# Altium PCB BalanceCar.PcbDoc
Units mil, origin at the board's own origin, x right, y up, seen from the top; angles counter-clockwise.
Board outline 3800 x 2345 mil, 2 copper layers (Top Layer, Bottom Layer); 103 components, 90 nets, 387 pads, 186 vias.
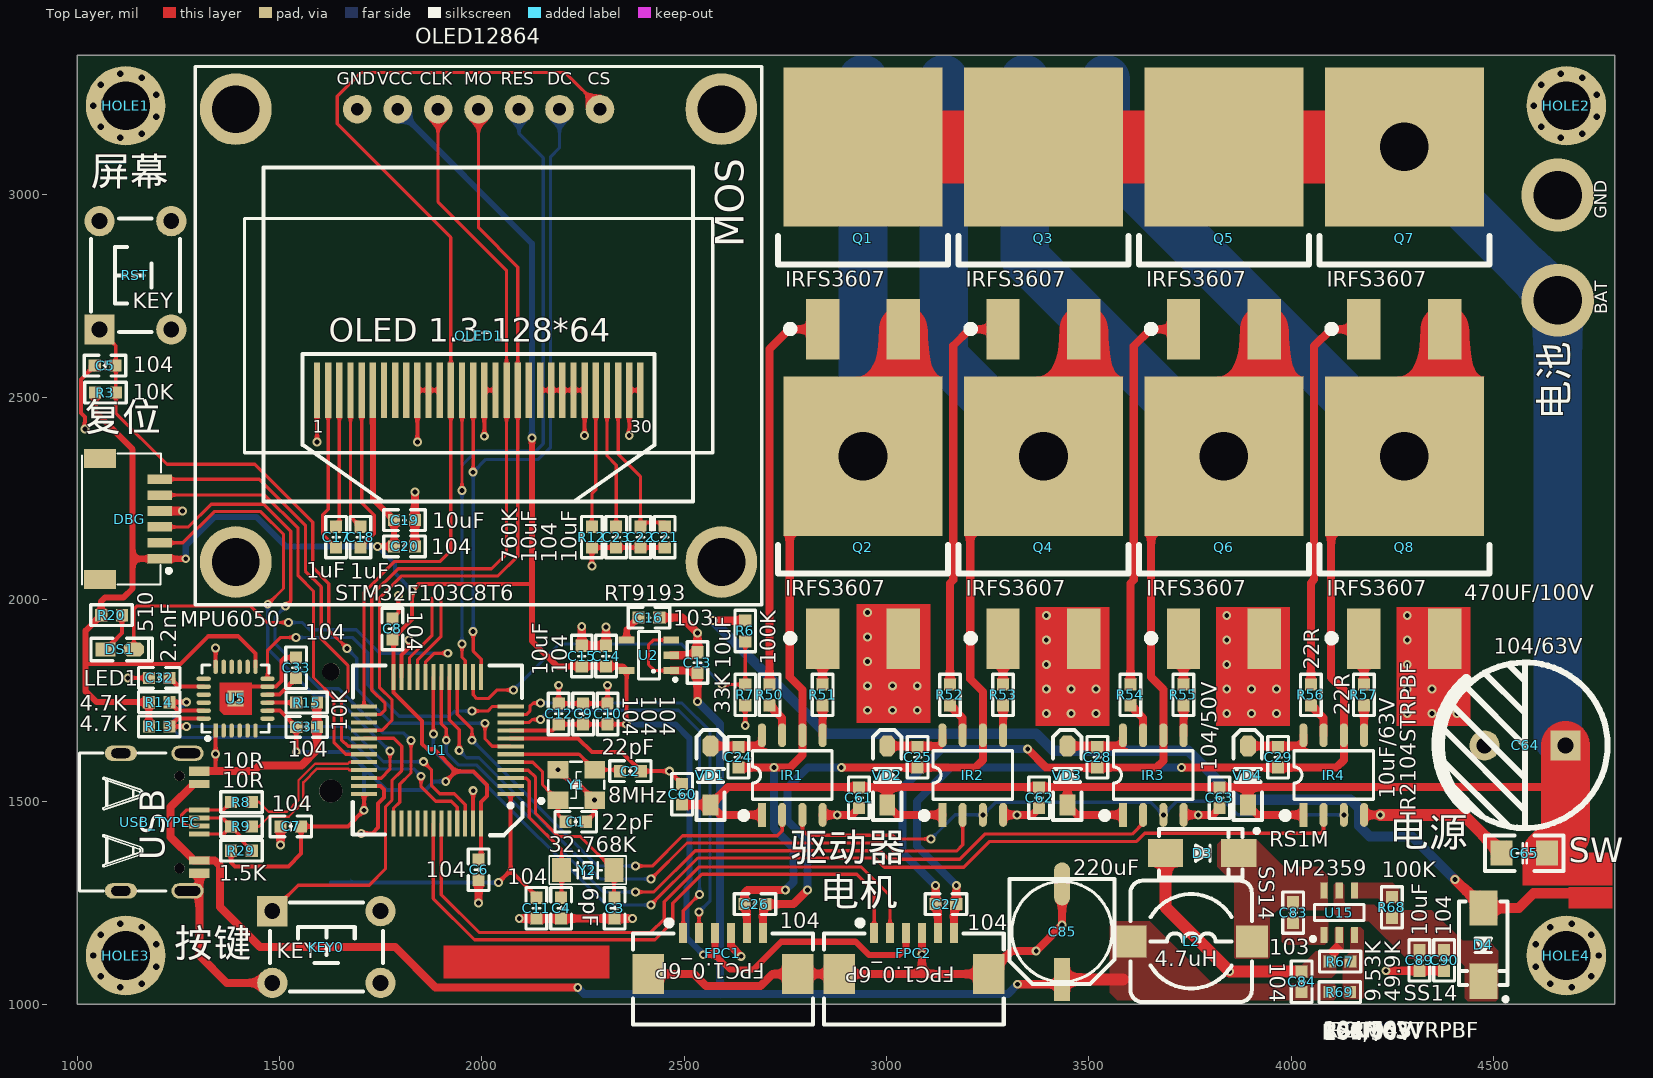
[diagram p0: Top Layer view]
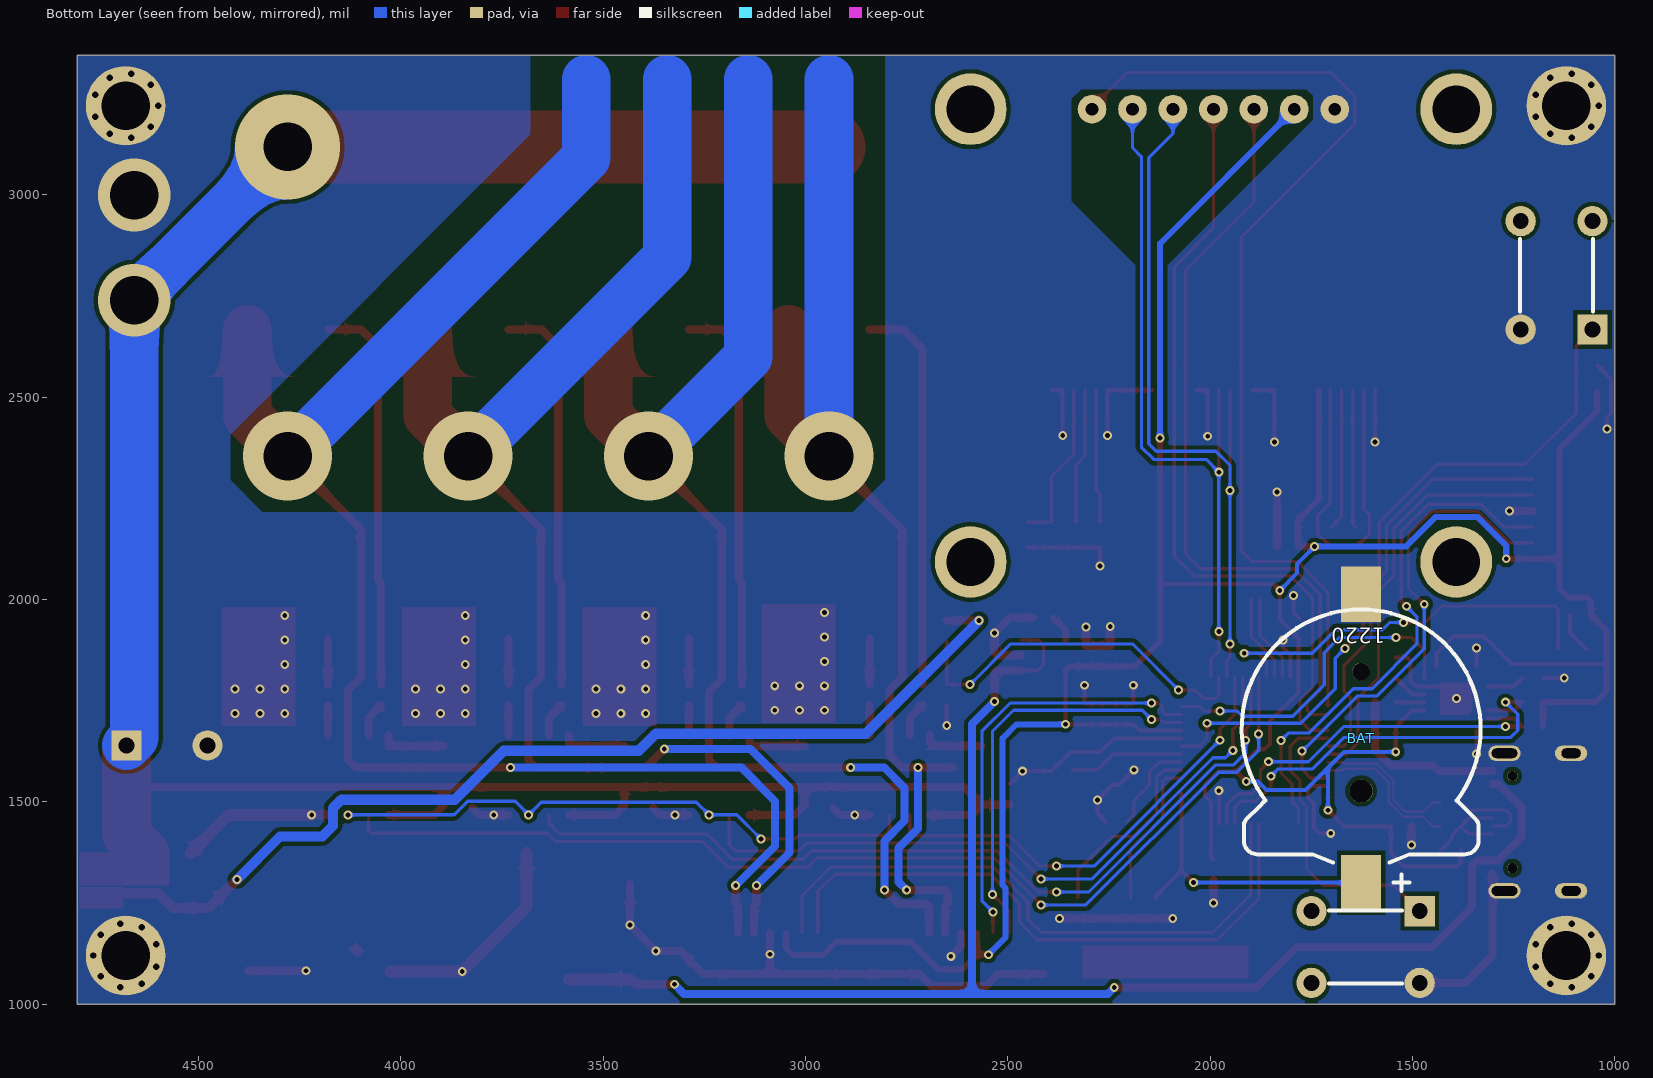
[diagram p1: Bottom Layer view, seen from below]
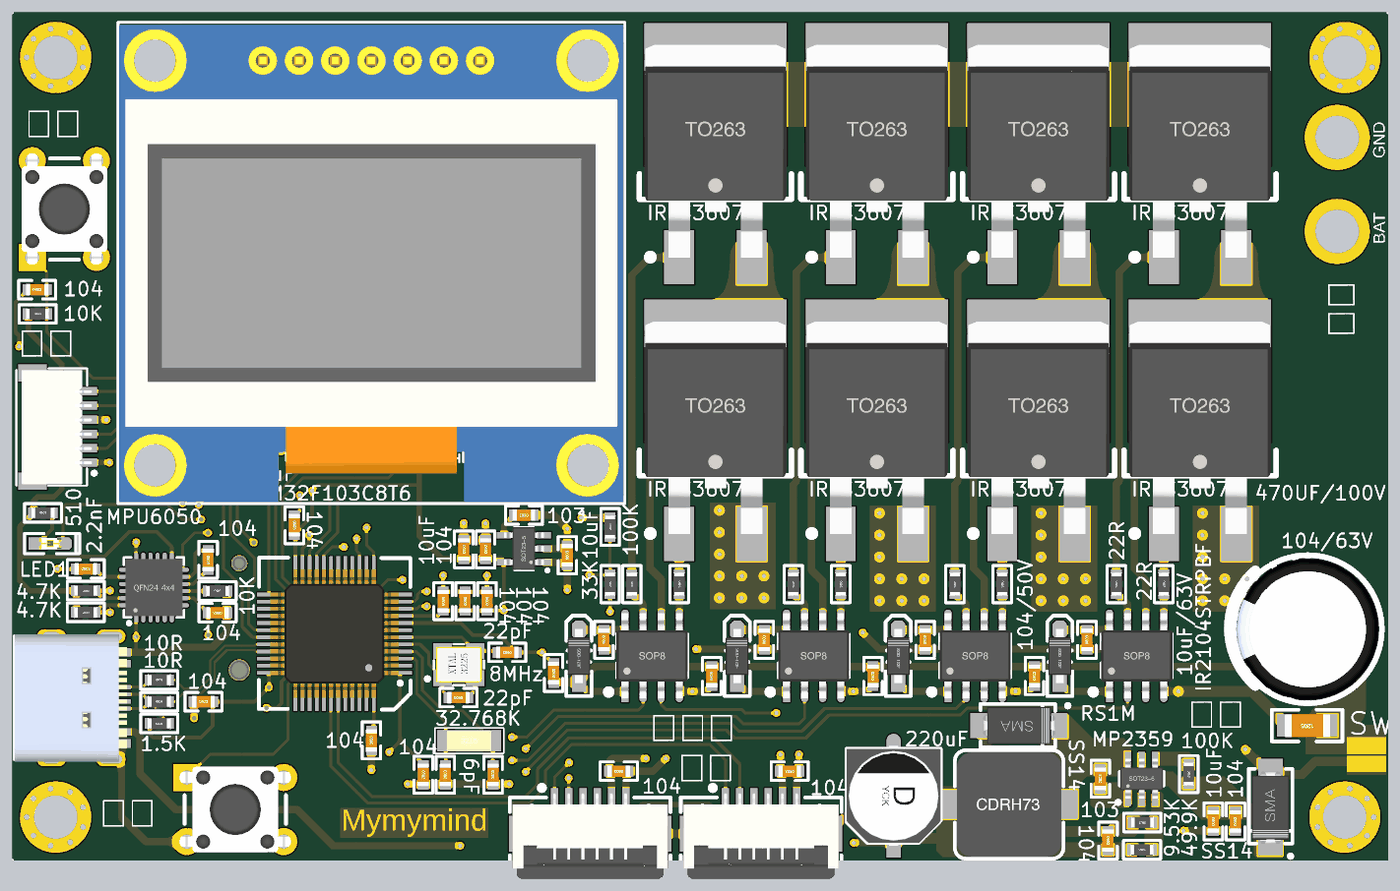
[diagram p2: 3D render of the assembled board from above, using the file's embedded part models]

## Layer stack, top to bottom
Top Solder: solder mask 0.4, Solder Resist, Dk 3.5
Top Layer: signal copper 1.4
Dielectric1: dielectric 12.6, FR-4, Dk 4.8
Bottom Layer: signal copper 1.4
Bottom Solder: solder mask 0.4, Solder Resist, Dk 3.5

## Board outline
1000,1000 1000,3345 4800,3345 4800,1000

## Design rules (kind name [scope] priority, off if disabled: settings)
Clearance [All] p1: gap=10 except(2: SMDPad-SMDPad; 6: Track-Track Track-SMDPad)
ComponentClearance [All] p1: gap=0 collisioncheckmode=3 verticalgap=0 showdistances=FALSE
DiffPairsRouting [All] p1: maxlimit=6 minlimit=6 mostfreqgap=6 toplayer_minwidth=6 toplayer_maxwidth=6 toplayer_prefwidth=6 bottomlayer_minwidth=6 bottomlayer_maxwidth=6 bottomlayer_prefwidth=6 maxuncoupledlength=500
FabricationTestPointUsage TestPointUsage [All] p1: valid=0 allowmultiple=FALSE
FabricationTestpoint Testpoint [All] p1: side=3 testpointundercomponent=TRUE minsize=40 maxsize=100 preferedsize=60 minholesize=0 maxholesize=40 preferedholesize=32 testpointgrid=1 allowsidetop=TRUE allowsidebottom=TRUE usegrid=TRUE gridtolerance=0.01
HoleSize [All] p1: absolutevalues=TRUE maxlimit=500 minlimit=1 maxpercent=80.000 minpercent=20.000
MinimumSolderMaskSliver [All] p1: minsoldermaskwidth=0
PlaneConnect [All] p1: planeconnectstyle=Direct reliefexpansion=20 reliefentries=4 reliefconductorwidth=10 reliefairgap=10
PolygonConnect [All] p1: connectstyle=Direct reliefconductorwidth=10 reliefentries=4 polygonreliefangle="90 Angle" airgapwidth=10
RoutingVias [All] p1: holewidth=8 width=14 viastyle="Through Hole" minholewidth=8 minwidth=14 maxholewidth=508 maxwidth=514
SilkToSilkClearance [All] p1: silktosilkclearance=0
SilkToSolderMaskClearance SilkscreenOverComponentPads [IsPad] p1: minsilkscreentomaskgap=0 clearancetoexposedcopper=TRUE
SolderMaskExpansion [All] p1: expansion=4
Width [All] p1: maxlimit=200 minlimit=6 preferedwidth=8 minimp=50.000000 maximp=50.000000 favimp=50.000000
21 further rules are at their usual default settings.

## Components (designator, comment, footprint, x,y, rotation, side; value= is the part's Value field where it differs from the comment)
BAT "1220" CR1220_B 1627,1680 r270 bottom locked
C1 "22pF" "C 0603_L" 2232.09,1450.5 r180 top
C2 "22pF" "C 0603_L" 2367.09,1575.5 r180 top
C3 "6pF" "C 0603_L" 2328,1237 r90 top
C4 "6pF" "C 0603_L" 2196,1237 r90 top
C5 "104" "C 0603_L" 1069,2578 r0 top
C6 "104" "C 0603_L" 1992,1332 r90 top
C7 "104" "C 0603_L" 1528,1439 r0 top
C8 "104" "C 0603_L" 1779,1927 r270 top
C9 "104" "C 0603_L" 2250.5,1717 r270 top
C10 "104" "C 0603_L" 2311,1717 r270 top
C11 "104" "C 0603_L" 2135,1236.99 r270 top
C12 "104" "C 0603_L" 2190,1717 r270 top
C13 "10uF" "C 0603_L" 2533,1844 r90 top
C14 "104" "C 0603_L" 2307,1860 r270 top
C15 "10uF" "C 0603_L" 2247,1860 r270 top
C16 "103" "C 0603_L" 2413,1955 r180 top
C17 "1uF" "C 0603_L" 1640,2154 r270 top
C18 "1uF" "C 0603_L" 1700,2154 r90 top
C19 "10uF" "C 0603_L" 1809,2196 r180 top
C20 "104" "C 0603_L" 1809,2131 r180 top
C21 "10uF" "C 0603_L" 2452,2154 r90 top
C22 "104" "C 0603_L" 2392,2154 r90 top
C23 "10uF" "C 0603_L" 2332,2154 r90 top
C24 "10uF/63V" "C 0603_L" 2634,1610 r90 top
C25 "10uF/63V" "C 0603_L" 3077,1610 r90 top
C26 "104" "C 0603_L" 2675,1247 r180 top
C27 "104" "C 0603_L" 3147,1247 r180 top
C28 "10uF/63V" "C 0603_L" 3521,1610 r90 top
C29 "10uF/63V" "C 0603_L" 3968,1610 r90 top
C31 "104" "C 0603_L" 1567,1685 r180 top
C32 "2.2nF" "C 0603_L" 1203,1806 r0 top
C33 "104" "C 0603_L" 1541,1831 r270 top
C60 "104/50V" "C 0603_L" 2495,1518.41 r270 top
C61 "104/50V" "C 0603_L" 2932,1510 r90 top
C62 "104/50V" "C 0603_L" 3377,1510 r90 top
C63 "104/50V" "C 0603_L" 3823,1510 r90 top
C64 "470UF/100V" "CAP 5.0*10*20 - BK" 4578,1639 r180 top
C65 "104/63V" "C 1206_L" 4577,1373 r180 top
C83 "103" "C 0603_L" 4005,1226 r90 top
C84 "104" "C 0603_L" 4026,1055.18 r270 top
C85 "220uF" "CM D(6.3*5.4)" 3434,1179 r270 top
C89 "10uF" "C 0603_L" 4317,1108 r90 top
C90 "104" "C 0603_L" 4378,1108 r90 top
D3 "SS14" SMA 3780,1373 r0 top
D4 "SS14" SMA 4475,1147 r270 top
DBG "GPS&COMPASS" "SH1.0 S-W-6P" 1122.93,2198.39 r270 top
DS1 "LED1" "LED 0603R" 1105,1876 r0 top
FPC1 "FPC1.0_6P" FPC_1.0_6P 2596,1075 r0 top
FPC2 "FPC1.0_6P" FPC_1.0_6P 3068,1075 r0 top
HOLE1 "HOLE" HOLE-M3 1120,3220 r0 top
HOLE2 "HOLE" HOLE-M3 4680,3220 r0 top
HOLE3 "HOLE" HOLE-M3 1120,1120 r0 top
HOLE4 "HOLE" HOLE-M3 4680,1120 r180 top
IR1 "IR2104STRPBF" SOP8_L 2767.26,1566 r90 top
IR2 "IR2104STRPBF" SOP8_L 3213.26,1566 r90 top
IR3 "IR2104STRPBF" SOP8_L 3659.26,1566 r90 top
IR4 "IR2104STRPBF" SOP8_L 4105.26,1566 r90 top
KEY0 "KEY" "TSW DIP-6*6*9"#1 1616,1141 r0 top
L2 "4.7uH" CDRH73 3753,1155 r0 top
OLED1 "OLED12864" OLED12864 1992,2652 r0 top locked
Q1 "IRFS3607" TO263-3B 2942,3118.17 r0 top
Q2 "IRFS3607" TO263-3B 2942,2354 r0 top
Q3 "IRFS3607" TO263-3B 3388,3118.17 r0 top
Q4 "IRFS3607" TO263-3B 3388,2354 r0 top
Q5 "IRFS3607" TO263-3B 3834,3118.17 r0 top
Q6 "IRFS3607" TO263-3B 3834,2354 r0 top
Q7 "IRFS3607" TO263-3B 4280,3118.17 r0 top
Q8 "IRFS3607" TO263-3B 4280,2354 r0 top
R3 "10K" "R 0603_L" 1070,2511 r0 top
R6 "100K" "R 0603_L" 2651,1922 r270 top
R7 "33K" "R 0603_L" 2651,1764 r270 top
R8 "10R" "R 0603_L" 1406,1499 r0 top
R9 "10R" "R 0603_L" 1406,1439 r0 top
R12 "760K" "R 0603_L" 2272,2154 r90 top
R13 "4.7K" "R 0603_L" 1202.99,1686 r180 top
R14 "4.7K" "R 0603_L" 1202.99,1746 r180 top
R15 "10K" "R 0603_L" 1567,1745 r0 top
R20 "510" "R 0603_L" 1085,1961 r0 top
R29 "1.5K" "R 0603_L" 1406,1379 r180 top
R50 "22R" "R 0603_L" 2711,1763.99 r270 top
R51 "22R" "R 0603_L" 2842,1763.99 r270 top
R52 "22R" "R 0603_L" 3157,1763.99 r270 top
R53 "22R" "R 0603_L" 3288,1764 r270 top
R54 "22R" "R 0603_L" 3603,1763.99 r270 top
R55 "22R" "R 0603_L" 3734,1763.99 r270 top
R56 "22R" "R 0603_L" 4049,1763.99 r270 top
R57 "22R" "R 0603_L" 4180,1763.99 r270 top
R67 "9.53K" "R 0603_L" 4121,1105 r180 top
R68 "100K" "R 0603_L" 4249,1239 r270 top
R69 "49.9K" "R 0603_L" 4120,1029.59 r0 top
RST "KEY" "TSW DIP-6*6*9"#2 1144,2801 r90 top
U1 "STM32F103C8T6" LQFP-48PIN 2071.2,1518.94 r180 top locked
U2 "RT9193" SOT23-5L 2413,1862 r90 top
U5 "MPU6050" "QFN24 4x4_N" 1391.53,1754.74 r0 top
U15 "MP2359" SOT23-6L 4119,1226 r0 top
USB_TYPEC "USB TypeC" "USB Type-C" 1205.07,1449.78 r270 top
VD1 "RS1M" SOD-123F 2565,1565 r90 top
VD2 "RS1M" SOD-123F 3002,1565 r90 top
VD3 "RS1M" SOD-123F 3447,1565 r90 top
VD4 "RS1M" SOD-123F 3893,1565 r90 top
Y1 "8MHz" XTAL-3225 2233.5,1541.5 r0 top
Y2 "32.768K" "OSC 3215-2P" 2262,1331 r0 top

## Footprints (in the part's own frame and the unit in brackets; to place one, negate y for a bottom-side part, rotate by r counter-clockwise, add the part's x,y. Pads: shape width x height; smd on the part's side, far side on the other; paste and mask are expansions set on the pad)
"C 0603_L" [mil] "无极性贴片电容"
  rect 30x30 smd: 1(-25.59,0) 2(25.59,0)
  silkscreen extent -51,-26 51,26, body extent -31,-16 31,16, height 32
"C 1206_L" [mil] "无极性贴片电容"
  rect 55x62 smd: 1(-55.12,0) 2(57.09,0)
  silkscreen extent -96,-44 98,44, body extent -63,-32 63,32, height 48
"CAP 5.0*10*20 - BK" [mm] "脚距5mm直径10mm高度20mm"
  rect 1.9x1.9 hole 1: 1(-2.54,0)
  round 1.9 hole 1: 2(2.54,0)
  silkscreen extent -5.19,-5.21 5.51,5.19, body extent -5,-5 5.01,5, height 20.04
CDRH73 [mm] "7.3*7.3*3.4mm（长宽高）"
  rect 2x2 smd: 1(-3.81,0) 2(3.81,0)
  silkscreen extent -3.81,-3.81 3.81,3.81, body extent -3.65,-3.65 3.65,3.65, height 3.65
"CM D(6.3*5.4)" [mm] "贴片电解电容，直径6.3mm，高5.4mm"
  rect 2.7x1 smd: 1(3,0)
  oval 2.7x1 smd: 2(-3,0)
  silkscreen extent -3.3,-3.3 3.3,3.3, body extent -3.5,-3.3 3.5,3.3, height 5.4
CR1220_B [mm]
  round 1.1 hole 1.1: 0(-3.6,0)
  round 1.45 hole 1.45: 0(3.9,0)
  rect 3.5x2.5 smd: 1(9.652,0) 2(-8.458,0)
  silkscreen extent -7.5,-7.5 10.16,7.5, body extent -9.42,-7.45 10.34,7.45, height 4.05
FPC_1.0_6P [mm]
  rect 0.5x1.25 smd: 1(-2.5,2.558) 2(-1.5,2.558) 3(-0.5,2.558) 4(0.5,2.558) 5(1.5,2.558) 6(2.5,2.558)
  rect 2x2.5 smd: 4(-4.69,-0.017) 4(4.69,-0.017)
  silkscreen extent -5.64,-3.19 5.64,3.29, body extent -5.45,-3.17 5.45,2.83, height 2
HOLE-M3 [mm]
  round 5 hole 3.05: 1(0,0)
"LED 0603R" [mil] "红色0603LED"
  rect 50x35 smd: 1(-35,0.26)
  oct 50x35 smd: 2(35,0.26)
  silkscreen extent -71,-28 81,28, body extent -31,-16 31,16, height 18
LQFP-48PIN [mil]
  rect 65x10 smd: 1(0,0) 2(0,-19.68) 3(0,-39.37) 4(0,-59.06) 5(0,-78.74) 6(0,-98.43) 7(0,-118.11) 8(0,-137.8) 9(0,-157.48) 10(0,-177.17) 11(0,-196.85) 12(0,-216.54) 25(362.2,-216.54) 26(362.2,-196.85) 27(362.2,-177.17) 28(362.2,-157.48) 29(362.2,-137.8) 30(362.2,-118.11) 31(362.2,-98.43) 32(362.2,-78.74) 33(362.2,-59.06) 34(362.2,-39.37) 35(362.2,-19.68) 36(362.2,0)
  rect 10x65 smd: 13(72.83,-289.37) 14(92.52,-289.37) 15(112.2,-289.37) 16(131.89,-289.37) 17(151.57,-289.37) 18(171.26,-289.37) 19(190.94,-289.37) 20(210.63,-289.37) 21(230.32,-289.37) 22(250,-289.37) 23(269.69,-289.37) 24(289.37,-289.37) 37(289.37,72.83) 38(269.69,72.83) 39(250,72.83) 40(230.32,72.83) 41(210.63,72.83) 42(190.94,72.83) 43(171.26,72.83) 44(151.57,72.83) 45(131.89,72.83) 46(112.2,72.83) 47(92.52,72.83) 48(72.83,72.83)
  silkscreen extent -29,-318 390,102, body extent 3,-286 359,69, height 63
OLED12864 [mm]
  rect 0.4x3.5 smd: 1(-10.14,-3.429) 2(-9.44,-3.429) 3(-8.74,-3.429) 4(-8.04,-3.429) 5(-7.34,-3.429) 6(-6.64,-3.429) 7(-5.94,-3.429) 8(-5.24,-3.429) 9(-4.54,-3.429) 10(-3.84,-3.429) 11(-3.14,-3.429) 12(-2.44,-3.429) 13(-1.74,-3.429) 14(-1.04,-3.429) 15(-0.34,-3.429) 16(0.36,-3.429) 17(1.06,-3.429) 18(1.76,-3.429) 19(2.46,-3.429) 20(3.16,-3.429) 21(3.86,-3.429) 22(4.56,-3.429) 23(5.26,-3.429) 24(5.96,-3.429) 25(6.66,-3.429) 26(7.36,-3.429) 27(8.06,-3.429) 28(8.76,-3.429) 29(9.46,-3.429) 30(10.16,-3.429)
  round 4.5 hole 3: 8(-15.24,-14.21) 8(-15.24,14.21) 8(15.24,-14.21) 8(15.24,14.21)
  round 1.8 hole 0.8: 8(-7.62,14.21) 9(-5.08,14.21) 13(7.62,14.21) 14(2.54,14.21) 15(5.08,14.21) 18(-2.54,14.21) 19(0,14.21)
  silkscreen extent -17.78,-16.89 17.78,16.89, body extent -17.7,-16.75 17.7,16.75, height 5.5
"OSC 3215-2P" [mm] "3.2*1.5*0.6mm(长宽高)"
  rect 1.2x1.5 smd: 1(-1.65,0) 2(1.65,0)
  silkscreen extent -2.41,-0.89 2.41,0.89, body extent -1.6,-0.75 1.6,0.75, height 0.61
"QFN24 4x4_N" [mm] "24脚，长x宽x高：4x4x1mm，脚距：0.5mm"
  rect 0.28x0.9 smd: 1(-1.25,-2)
  oval 0.28x0.9 smd: 2(-0.75,-2) 3(-0.25,-2) 4(0.25,-2) 5(0.75,-2) 6(1.25,-2) 13(1.25,2) 14(0.75,2) 15(0.25,2) 16(-0.25,2) 17(-0.75,2) 18(-1.25,2)
  oval 0.9x0.28 smd: 7(2,-1.25) 8(2,-0.75) 9(2,-0.25) 10(2,0.25) 11(2,0.75) 12(2,1.25) 19(-2,1.25) 20(-2,0.75) 21(-2,0.25) 22(-2,-0.25) 23(-2,-0.75) 24(-2,-1.25)
  rect 1x1 smd: 25(0,0)
  Top Layer region: -1,1 1,1 1,-1 -0.75,-1 -1,-0.75
  silkscreen extent -2.11,-2.6 2.11,2.11, body extent -2.01,-2.01 2.01,2.01, height 0.95
"R 0603_L" [mil] "1/10W贴片电阻"
  rect 30x30 smd: 1(-25.59,0) 2(25.59,0)
  silkscreen extent -51,-26 51,26, body extent -31,-16 32,16, height 16
"SH1.0 S-W-6P" [mm]
  rect 1.2x2 smd: 0(-3.8,-1.7) 0(3.8,-1.7)
  rect 0.6x1.55 smd: 1(2.489,2.057) 2(1.489,2.057) 3(0.489,2.057) 4(-0.511,2.057) 5(-1.511,2.057) 6(-2.511,2.057)
  silkscreen extent -4.11,-2.83 4.11,2.76, body extent -3.99,-2.48 4.01,2.47, height 2.9
SMA [mm] "4.5x2.6*2.2mm（长宽高，不包括引脚）"
  rect 2.2x1.75 smd: 1(-2.3,0) 2(2.3,0)
  silkscreen extent -2.7,-1.52 3.56,1.52, body extent -2.53,-1.3 2.58,1.3, height 2.15
SOD-123F [mm] "2.7x1.6X1.1mm（长宽高，不包括引脚）"
  rect 1.3x1 smd: 1(-1.85,0)
  oct 1.3x1 smd: 2(1.85,0)
  silkscreen extent -2.79,-0.89 2.84,0.89, body extent -1.9,-0.8 1.9,0.8, height 1.15
SOP8_L [mm] "5*6*1.8mm（长宽高）"
  rect 1.5x0.5 smd: 1(-2.5,1.905)
  oval 1.5x0.5 smd: 2(-2.5,0.635) 3(-2.5,-0.635) 4(-2.5,-1.905) 5(2.5,-1.905) 6(2.5,-0.635) 7(2.5,0.635) 8(2.5,1.905)
  silkscreen extent -2.69,-2.5 1.52,3.2, body extent -3,-2.5 3,2.5, height 1.9
SOT23-5L [mm] "3x1.6x1.1mm(长宽高)"
  rect 0.45x1 smd: 1(-0.95,-1.4) 2(0,-1.4) 3(0.95,-1.4) 4(0.95,1.4) 5(-0.95,1.4)
  silkscreen extent -1.6,-1.73 1.5,0.66, body extent -1.5,-1.4 1.5,1.4, height 1.15
SOT23-6L [mm] "3x1.6x1.1mm(长宽高)"
  rect 0.45x1 smd: 1(-0.95,-1.397) 2(0,-1.397) 3(0.95,-1.397) 4(0.95,1.397) 5(0,1.397) 6(-0.95,1.397)
  silkscreen extent -1.77,-1.78 1.55,0.51, body extent -1.5,-1.4 1.5,1.4, height 1.15
TO263-3B [mm] "263，3脚晶体管"
  rect 2.1x3.8 smd: 1(-2.54,-11.45) 3(2.54,-11.45)
  rect 10x10 smd: 2(0,0)
  silkscreen extent -5.33,-11.63 5.33,-5.59, body extent -5,-11.46 5,3.47, height 4.5
"TSW DIP-6*6*9"#1 [mm] "6*6*9mm"
  round 1.9 hole 1: 0(3.4,-2.25) 0(3.4,2.25) 2(-3.4,-2.25)
  rect 1.9x1.9 hole 1: 1(-3.4,2.25)
  silkscreen extent -3.56,-2.79 3.56,2.79, body extent -4.11,-3 4.11,3, height 8.95
"TSW DIP-6*6*9"#2 [mm] "6*6*9mm"
  rect 1.9x1.9 hole 1: 1(-3.4,2.25)
  round 1.9 hole 1: 2(-3.4,-2.25) 3(3.4,-2.25) 4(3.4,2.25)
  silkscreen extent -3.56,-2.79 3.56,2.79, body extent -4.11,-3 4.11,3, height 8.95
"USB Type-C" [mm] "USB Type-C 12P/16P"
  rect 0.6x1.3 smd mask+0.064: 1(-3.2,2.462) 12(3.2,2.462)
  rect 0.508x1.3 smd mask+0.064: 2(-2.4,2.462) 11(2.4,2.462)
  rect 0.3x1.3 smd mask+0.064: 5(-0.75,2.462) 6(-0.25,2.462) 7(0.25,2.462) 8(0.75,2.462)
  oval 0.965x2.032 hole 0.6 slot 1.6 at 90 deg: SH1(-4.32,1.717) SH3(4.32,1.717)
  oval 0.965x2.032 hole 0.6 slot 1.2 at 90 deg: SH2(-4.32,-2.462) SH4(4.32,-2.462)
  round 0.65 hole 0.65 unplated mask+0: ""(-2.89,1.217) ""(2.89,1.218)
  silkscreen extent -4.34,-5.07 4.32,0.37, body extent -4.47,-5.04 4.47,2.86, height 3.2
XTAL-3225 [mm]
  rect 1.3x1.1 smd: 1(-1.15,-0.95) 2(1.15,-0.95) 3(1.15,0.95) 4(-1.15,0.95)
  silkscreen extent -2.33,-1.45 1.75,1.45, body extent -1.6,-1.24 1.6,1.26, height 0.8
